# Altium PCB BK1096.PcbDoc (part 1 of 2)
Units mm, origin at the board's own origin, x right, y up, seen from the top; angles counter-clockwise.
Board outline 65 x 36 mm, 4 copper layers (Top Layer, Midlayer 1, Midlayer 2, Bottom Layer), stack 1.571 mm thick; 104 components, 71 nets, 393 pads, 279 vias.
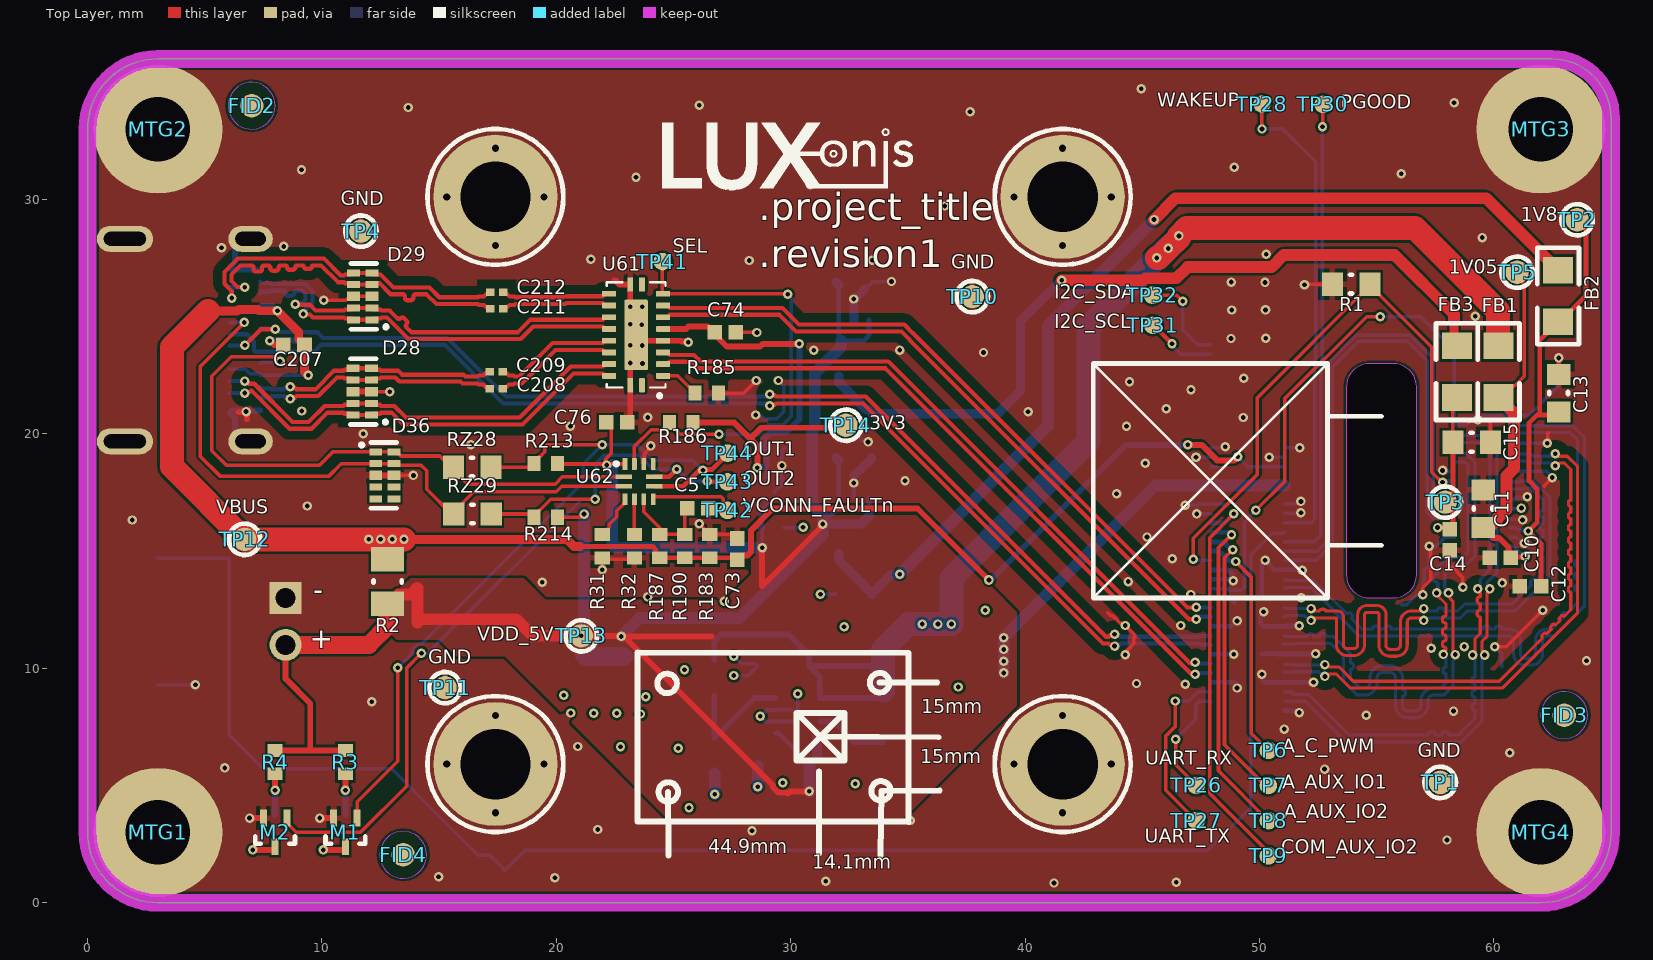
[diagram p0: Top Layer view]
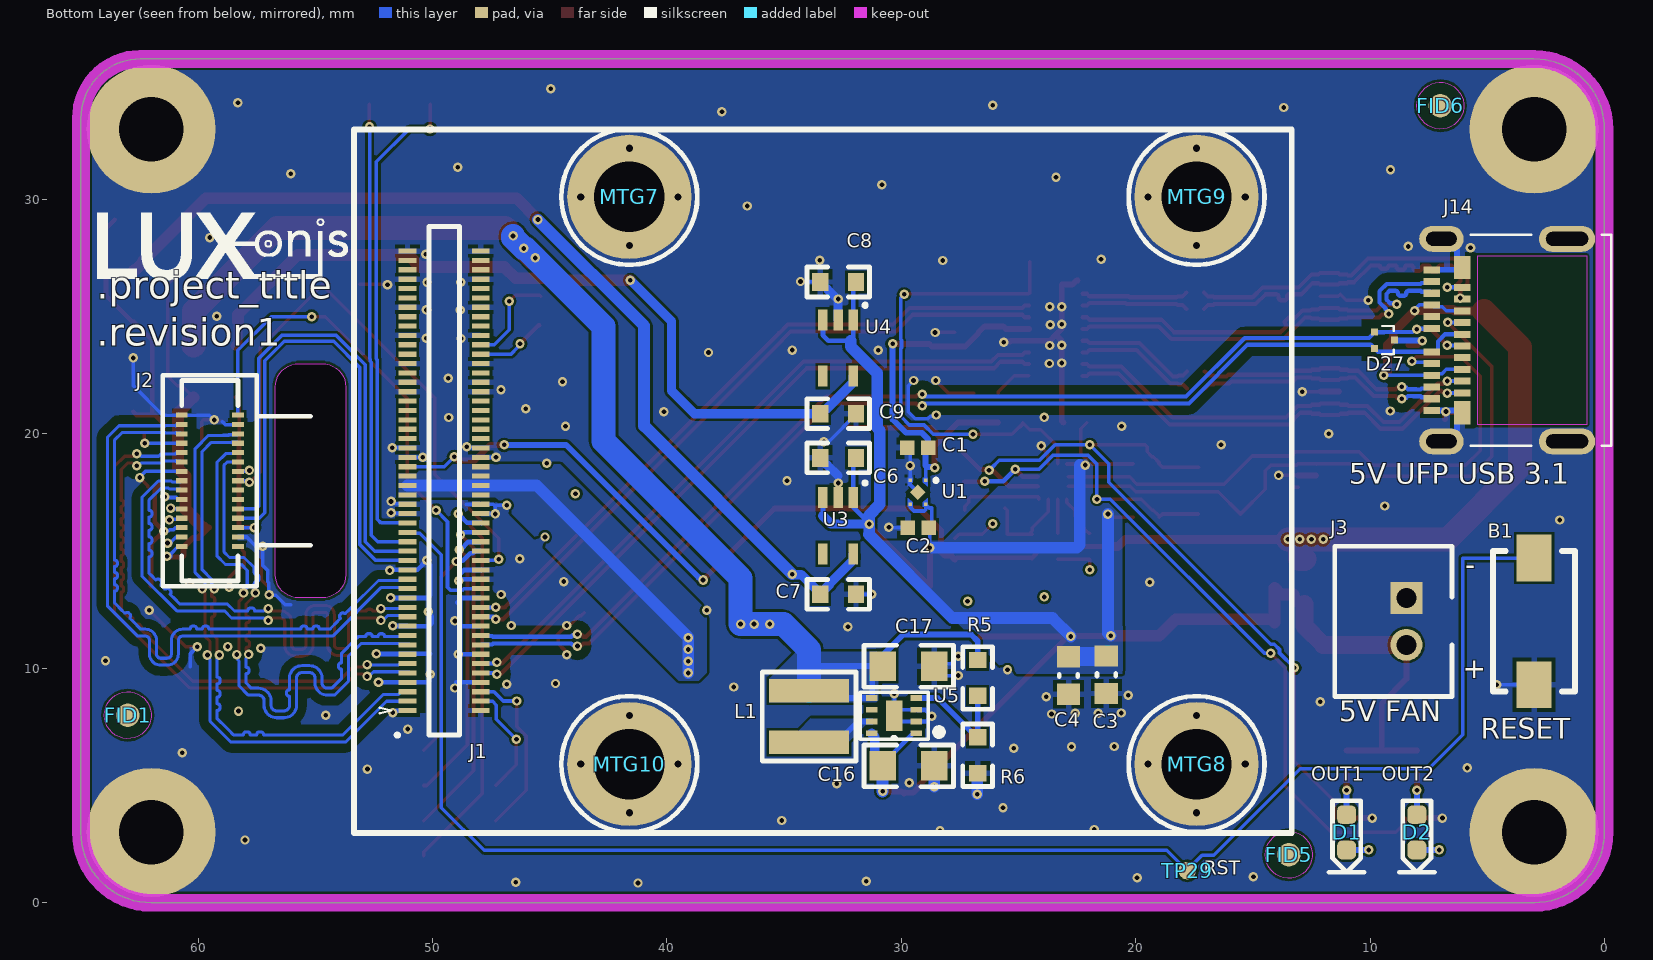
[diagram p1: Bottom Layer view, seen from below]
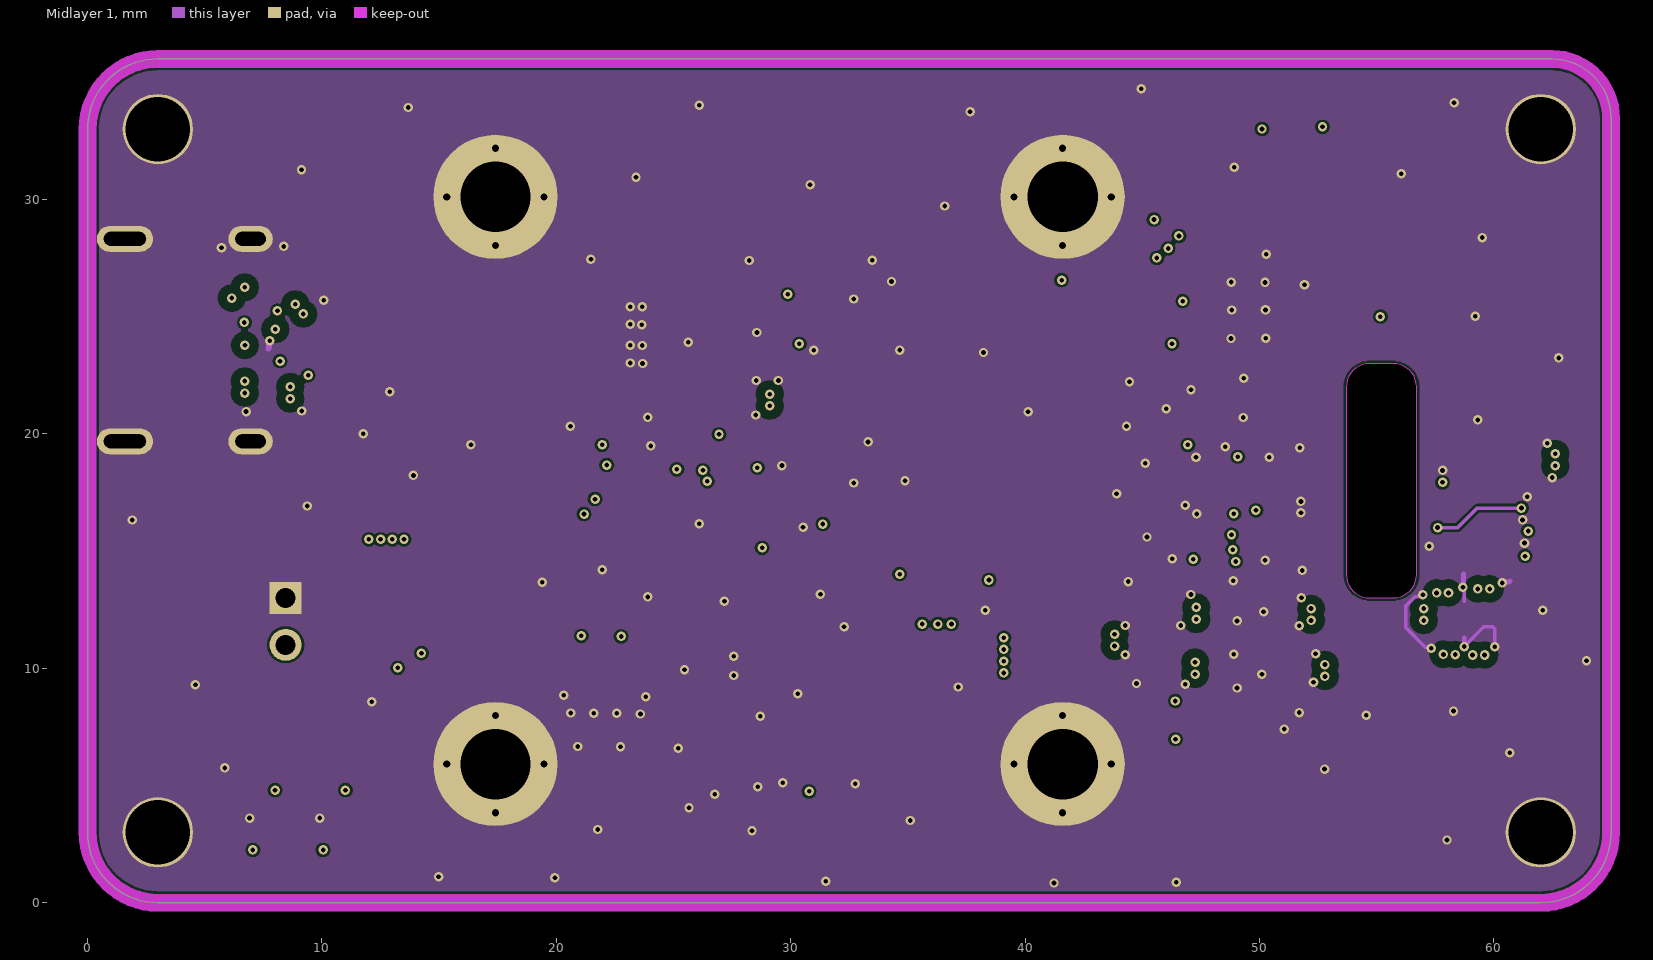
[diagram p2: Midlayer 1]
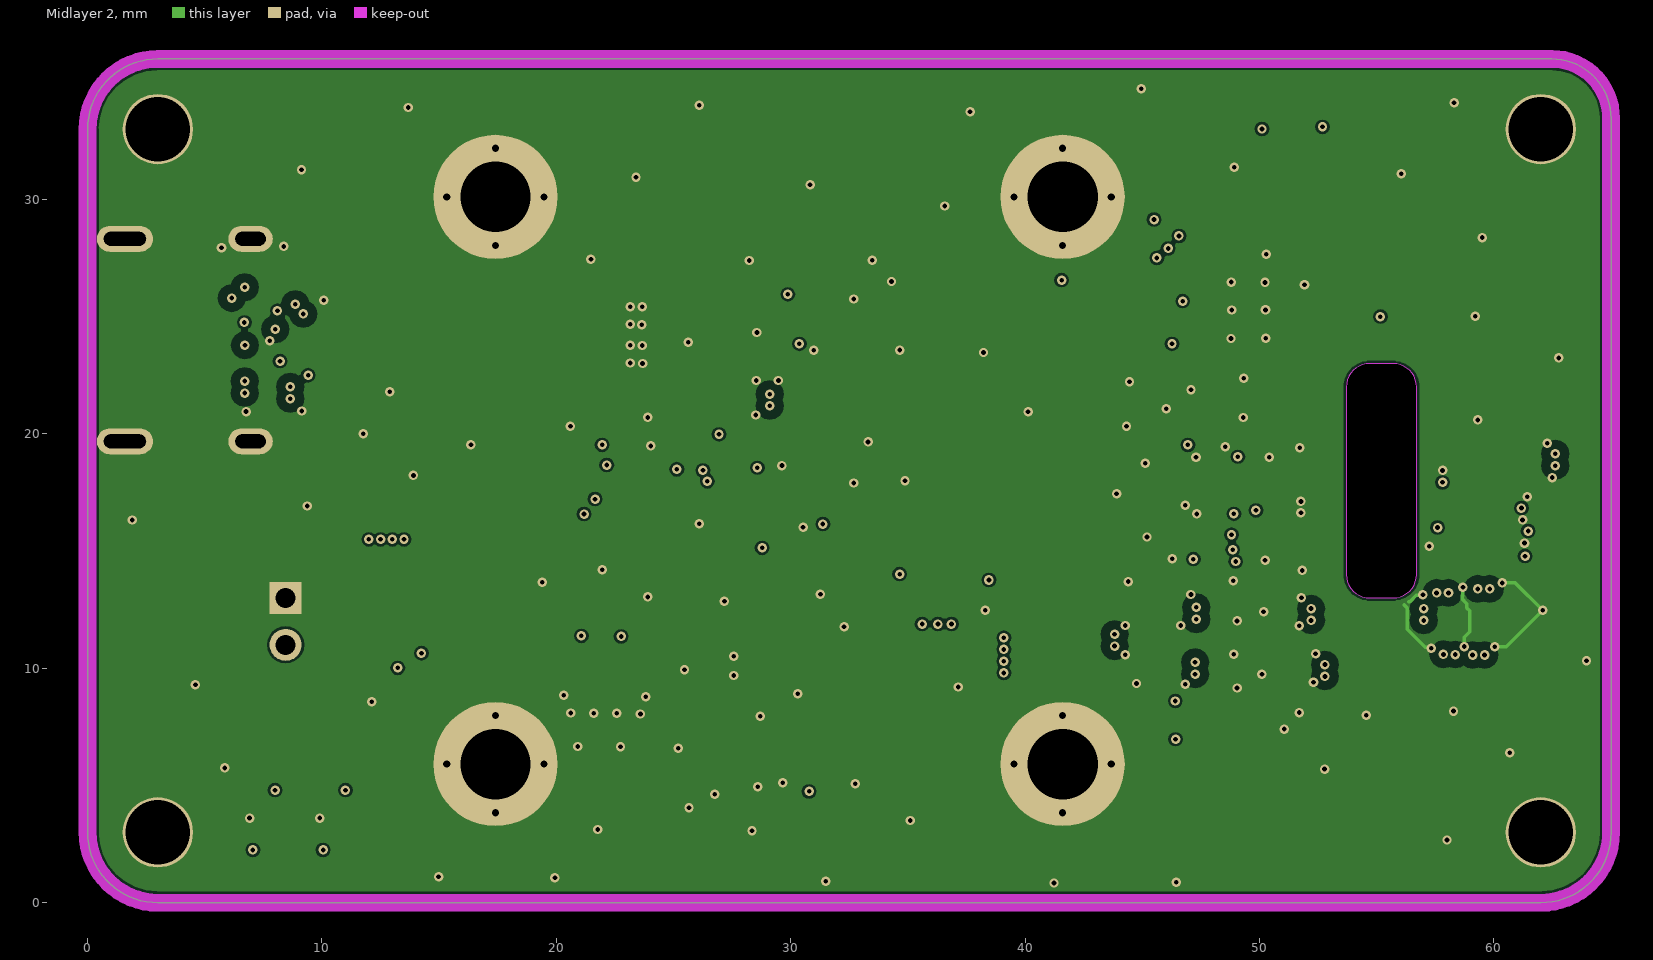
[diagram p3: Midlayer 2]

## Layer stack, top to bottom
Top Solder: solder mask 0.0178, SM-001, Dk 4
Top Layer: signal copper 0.035
Dielectric 1: prepreg 0.2, PP-022, Dk 4.6
Midlayer 1: signal copper 0.018
Dielectric 3: core 1.065, Core-042, Dk 4.6
Midlayer 2: signal copper 0.018
Dielectric 5: prepreg 0.2, PP-022, Dk 4.6
Bottom Layer: signal copper 0.035
Bottom Solder: solder mask 0.0178, SM-001, Dk 4

## Board outline
0,3 ccw(c3,3) 3,0 62,0 ccw(c62,3) 65,3 65,33.46 ccw(c62.46,33.46) 62.46,36 3,36 ccw(c3,33) 0,33

## Design rules (kind name [scope] priority, off if disabled: settings)
AssemblyTestPointUsage [All] p1: valid=2
AssemblyTestpoint [(IsPad And (OnTopLayer Or OnBottomLayer)) Or (IsVia) Or (IsPad And OnMultiLayer)] p1: testpointundercomponent=FALSE minsize=0.381 maxsize=2.54 preferedsize=1.27 minholesize=0 maxholesize=1.016 preferedholesize=0.813 testpointgrid=0.025 usegrid=FALSE gridtolerance=0 allowsidetop=TRUE allowsidebottom=TRUE minspacing=1.27 compbodyclearance=1.27
Clearance Diff_Pair_Spacing [(InDifferentialPairClass('All Differential Pairs'))] p1: gap=0.102 ignorepadtopadclearanceinfootprint=FALSE except(0.381: Arc-Poly Track-Poly SMDPad-Poly THPad-Poly Via-Poly Fill-Poly Poly-Poly)
Clearance general [All] p2: gap=0.102 ignorepadtopadclearanceinfootprint=FALSE
DiffPairsRouting 90ohm_diff_pair [InDifferentialPairClass('USB3', 'USB_D')] p1: maxlimit=0.254 minlimit=0.099 mostfreqgap=0.254 toplayer_maxgap=0.128 toplayer_prefgap=0.114 toplayer_minwidth=0.152 toplayer_maxwidth=0.178 toplayer_prefwidth=0.178 bottomlayer_maxgap=0.128 bottomlayer_prefgap=0.114 bottomlayer_minwidth=0.152 bottomlayer_maxwidth=0.178 bottomlayer_prefwidth=0.178 impedanceprofiledriven=TRUE impedanceprofileid={F445E652-3BED-4DE0-8F3A-16D6EB8CC4C4} impedanceprofilevalue=90.000000 maxuncoupledlength=12.7
DiffPairsRouting 100ohm_Diff_pair [InDifferentialPairClass('MIPI_CAMS')] p2: maxlimit=0.254 minlimit=0.127 mostfreqgap=0.254 toplayer_maxgap=0.211 toplayer_prefgap=0.165 toplayer_minwidth=0.131 toplayer_maxwidth=0.178 toplayer_prefwidth=0.178 bottomlayer_maxgap=0.211 bottomlayer_prefgap=0.165 bottomlayer_minwidth=0.131 bottomlayer_maxwidth=0.178 bottomlayer_prefwidth=0.178 impedanceprofiledriven=TRUE impedanceprofileid={53B17AC2-21DB-4A6F-8AF5-04ABCC40ACAA} impedanceprofilevalue=100.000000 maxuncoupledlength=12.7
FabricationTestPointUsage [All] p1: valid=2 allowmultiple=TRUE
FabricationTestpoint [(IsPad And (OnTopLayer Or OnBottomLayer)) Or (IsVia) Or (IsPad And OnMultiLayer)] p1: side=3 testpointundercomponent=TRUE minsize=0.381 maxsize=2.54 preferedsize=1.27 minholesize=0 maxholesize=1.016 preferedholesize=0.813 testpointgrid=0.025 allowsidetop=TRUE allowsidebottom=TRUE usegrid=FALSE gridtolerance=0 minspacing=1.27 boardedgeclearance=0.254
HoleSize [All] p1: absolutevalues=TRUE maxlimit=3.048 minlimit=0.025 maxpercent=80.000 minpercent=20.000
MatchedLengths USB_XSIGNALS [InxSignalClass('USB_RX_XSIGNALS')  OR             InxSignalClass('USB_RX_XSIGNALS')] p1: tolerance=0.127 checknetsindiffpair=TRUE checkdiffpairvsdiffpair=FALSE checkxsignals=FALSE checkothers=FALSE
MatchedLengths MIPI_CAM_A [InNetClass('MIPI_CAM_A')] p2: tolerance=0.127 checknetsindiffpair=FALSE checkdiffpairvsdiffpair=TRUE checkxsignals=TRUE checkothers=TRUE
MatchedLengths DIFF_PAIR [InDifferentialPairClass('USB_D')] p3: tolerance=0.127 checknetsindiffpair=TRUE checkdiffpairvsdiffpair=FALSE checkxsignals=FALSE checkothers=FALSE
MinimumSolderMaskSliver [All] p1: minsoldermaskwidth=0.152
PasteMaskExpansion PasteMaskExpansion_1 [All] p2: expansion=0
PlaneConnect [All] p1: pad.planeconnectstyle=Relief pad.reliefexpansion=0.508 pad.reliefentries=4 pad.reliefconductorwidth=0.254 pad.reliefairgap=0.254 via.planeconnectstyle=Direct via.reliefexpansion=0.508 via.reliefentries=4 via.reliefconductorwidth=0.254 via.reliefairgap=0.254
PolygonConnect PolygonConnect_outer_layer_GND [InNet('GND')] p1: thpad.connectstyle=Direct thpad.reliefconductorwidth=0.254 thpad.reliefentries=4 thpad.polygonreliefangle="90 Angle" thpad.airgapwidth=0.254 smdpad.connectstyle=Relief smdpad.reliefconductorwidth=0.254 smdpad.reliefentries=4 smdpad.polygonreliefangle="90 Angle" smdpad.airgapwidth=0.154 via.connectstyle=Direct via.reliefconductorwidth=0.254 via.reliefentries=4 via.polygonreliefangle="90 Angle" via.airgapwidth=0.254
PolygonConnect Outer_Layer_Power [InPolygonClass('Outer_Layer_Power')] p2: thpad.connectstyle=Direct thpad.reliefconductorwidth=0.254 thpad.reliefentries=4 thpad.polygonreliefangle="90 Angle" thpad.airgapwidth=0.254 smdpad.connectstyle=Relief smdpad.reliefconductorwidth=0.254 smdpad.reliefentries=4 smdpad.polygonreliefangle="90 Angle" smdpad.airgapwidth=0.254 via.connectstyle=Direct via.reliefconductorwidth=0.254 via.reliefentries=4 via.polygonreliefangle="90 Angle" via.airgapwidth=0.254
PolygonConnect Default [All] p3: connectstyle=Direct reliefconductorwidth=0.254 reliefentries=4 polygonreliefangle="90 Angle" airgapwidth=0.254
RoutingVias [All] p1: holewidth=0.203 width=0.406 viastyle="Through Hole" minholewidth=0.2 minwidth=0.4 maxholewidth=3.048 maxwidth=3.048 viatemplateguid#1={EA498970-4BE9-4706-B75B-98A89CD1B552} viatemplatename#1=v41h20m0mx0
SilkToSilkClearance [All] p1: silktosilkclearance=0.102
SilkToSolderMaskClearance SilkscreenOverComponentPads [IsPad] p1: minsilkscreentomaskgap=0.102 clearancetoexposedcopper=TRUE
SolderMaskExpansion SolderMaskExpansion_1 [All] p1: expansion=0.102 istentingtop=FALSE
SolderMaskExpansion [All] p2: expansion=0.051 istentingtop=FALSE
UnRoutedNet [All] p1: checkbadconnections=TRUE
Width [All] p1: maxlimit=2.362 minlimit=0.15 preferedwidth=0.5
19 further rules are at their usual default settings.

## Classes and differential pairs
differential pair class USB_D: USB_D
component class U_BK1096_Power_Supply: C1 C2 C3 C4 C6 C7 C8 C9 C16 C17 FB1 FB2 FB3 J3 L1 R2 R5 R6 TP1 TP2 TP3 TP4 TP5 TP10 TP11 TP12 TP13 TP14 U1 U3 U4 U5
differential pair class USB3: RXB RXC TXB TXB1 TXC TXC1 USB_RX USB_TX
net class Power_trace: VBUS VDD_5V
component class U_BW1098_USB: C5 C73 C74 C76 C207 C208 C209 C211 C212 D1 D2 D27 D28 D29 D36 J14 M1 M2 R3 R4 R31 R32 R183 R185 R186 R187 R190 R213 R214 RZ28 RZ29 TP41 TP42 TP43 TP44 U61 U62
component class U_BW1098_MIPI_CAM: C10 C11 C12 C13 C14 C15 J2 R1 TP6 TP7 TP8 TP9
component class BK1096_TopLevel: B1 FID1 FID2 FID3 FID4 FID5 FID6 MTG1 MTG2 MTG3 MTG4 MTG7 MTG8 MTG9 MTG10 TP28 TP29 TP30
polygon class Outer_Layer_Power: GND_L01_P089 GND_L04_P097
differential pair class USB_RxTX: USB_RX USB_TX
component class U_BW1098_Connector: J1 TP26 TP27 TP31 TP32
differential pair class MIPI_CAMS: MIPI_RX4_C MIPI_RX4_D0 MIPI_RX4_D1 MIPI_RX5_D0 MIPI_RX5_D1
net class MIPI_CAM_A: MIPI_RX4_C_N MIPI_RX4_C_P MIPI_RX4_D0_N MIPI_RX4_D0_P MIPI_RX4_D1_N MIPI_RX4_D1_P MIPI_RX5_D0_N MIPI_RX5_D0_P MIPI_RX5_D1_N MIPI_RX5_D1_P
differential pair TXC: +TXC_P -TXC_N
differential pair TXC1: +TXC1_P -TXC1_N
differential pair TXB: +TXB_P -TXB_N
differential pair TXB1: +TXB1_P -TXB1_N
differential pair RXC: +RXC_P -RXC_N
differential pair RXB: +RXB_P -RXB_N
differential pair MIPI_RX5_D1: +MIPI_RX5_D1_P -MIPI_RX5_D1_N
differential pair MIPI_RX5_D0: +MIPI_RX5_D0_P -MIPI_RX5_D0_N
differential pair MIPI_RX4_D1: +MIPI_RX4_D1_P -MIPI_RX4_D1_N
differential pair MIPI_RX4_D0: +MIPI_RX4_D0_P -MIPI_RX4_D0_N
differential pair MIPI_RX4_C: +MIPI_RX4_C_P -MIPI_RX4_C_N
differential pair USB_TX: +USB_TX_P -USB_TX_N
differential pair USB_RX: +USB_RX_P -USB_RX_N
differential pair USB_D: +USB_D_P -USB_D_N

## Components (designator, comment, footprint, x,y, rotation, side; value= is the part's Value field where it differs from the comment)
B1 "434 113 050 826" DTSM32N 3,12 r270 bottom locked
C1 "10uF/6.3V" CAPC0402(1005)70_N 29.294,19.401 r180 bottom
C2 "1uF, 0402, 10%" CAPC0402(1005)70_N 29.27,15.989 r0 bottom
C3 "CAP, MLCC, X5R, 22UF, 10V, 0603" CAPC0603(1608)100_N 21.25,9.725 r270 bottom
C4 "CAP, MLCC, X5R, 22UF, 10V, 0603" CAPC0603(1608)100_N 22.863,9.691 r270 bottom
C5 "1uF 0402" CAPC0402(1005)70_N 26.027,16.838 r180 top
C6 "10uF/6.3V" 0603 32.691,18.976 r0 bottom
C7 "10uF/6.3V" 0603 32.691,13.156 r180 bottom
C8 "10uF/6.3V" 0603 32.691,26.481 r0 bottom
C9 "10uF/6.3V" 0603 32.691,20.862 r180 bottom
C10 "100nF" CAPC0402(1005)60_N 60.274,14.707 r0 top
C11 "10uF/6.3V" CAPC0603(1608)55_N 59.538,16.815 r270 top
C12 "100nF" CAPC0402(1005)60_N 61.56,13.503 r0 top
C13 "10uF/6.3V" CAPC0603(1608)55_N 62.763,21.742 r270 top
C14 "100nF" CAPC0402(1005)60_N 58.122,15.49 r90 top
C15 "10uF/6.3V" CAPC0603(1608)55_N 59.049,19.643 r180 top
C16 "10uF/6.3V" 0805 29.691,5.841 r180 bottom
C17 "22uF/6.3V" 0805 29.691,10.091 r180 bottom
C73 "10uF/6.3V" CAPC0402(1005)60_N 27.711,15.088 r270 top
C74 "10uF/6.3V" CAPC0402(1005)60_N 27.213,24.327 r180 top
C76 "10uF/6.3V" CAPC0402(1005)60_N 22.573,20.491 r180 top
C207 "10uF/6.3V" CAPC0402(1005)60_N 8.805,23.8 r0 top
C208 "100nF" CAPC0201(0603)33_L 17.429,21.936 r180 top
C209 "100nF" CAPC0201(0603)33_L 17.429,22.656 r180 top
C211 "100nF" CAPC0201(0603)33_L 17.458,25.333 r180 top
C212 "100nF" CAPC0201(0603)33_L 17.458,26.033 r180 top
D1 "GREEN" LED_0603 11,3 r90 bottom
D2 "GREEN" LED_0603 8,3 r90 bottom
D27 "TPD2EUSB30" SOT-3 9.389,24.001 r270 bottom
D28 "TPD4E02B04" DQA-10 11.716,21.801 r90 top
D29 "TPD4E02B04" DQA-10 11.742,25.868 r90 top
D36 "TPD4E02B04" DQA-10 12.683,18.229 r270 top
FB1 "600R/100MHz" 0805 60.198,22.657 r270 top
FB2 "600R/100MHz" 0805 62.738,25.883 r270 top
FB3 "600R/100MHz" 0805 58.42,22.657 r270 top
FID1 "FID" FIDUCIAL_1MM 63,8 r180 bottom
FID2 "FID" FIDUCIAL_1MM 7,34 r90 top
FID3 "FID" FIDUCIAL_1MM 63,8 r90 top
FID4 "FID" FIDUCIAL_1MM 13.467,2.043 r90 top
FID5 "FID" FIDUCIAL_1MM 13.467,2.043 r90 bottom
FID6 "FID" FIDUCIAL_1MM 7,34 r90 bottom
J1 "DF40HC(3.0)-100DS-0.4V" DF40HC-3.0-100DS-0.4V 49.5,18 r0 bottom locked
J2 "24-5804-030-000-829+" A12N02A-201_MatedModule 59.5,18 r270 bottom locked
J3 "B2B-PH-K-S(LF)(SN)" *JST_B2B-PH-K-S(LF)(SN) 9,12 r90 bottom locked
J14 "105450-0101" Molex_105450-0101 6.714,24 r90 bottom locked
L1 "1uH" 744029001 33.934,7.945 r0 bottom
M1 "RE1C002UNTCL" SOT-416FL 11,3 r180 top
M2 "RE1C002UNTCL" SOT-416FL 8,3 r180 top
MTG1 "MTG-HOLE" SCREW_M2.5x4_RPi 3,3 r0 top
MTG2 "MTG-HOLE" SCREW_M2.5x4_RPi 3,33 r0 top
MTG3 "MTG-HOLE" SCREW_M2.5x4_RPi 62,33 r0 top
MTG4 "MTG-HOLE" SCREW_M2.5x4_RPi 62,3 r0 top
MTG7 "MTG-HOLE" STANDOFF_M2X0.4_3MM 41.6,30.113 r90 bottom
MTG8 "MTG-HOLE" STANDOFF_M2X0.4_3MM 17.4,5.913 r90 bottom
MTG9 "MTG-HOLE" STANDOFF_M2X0.4_3MM 17.4,30.113 r90 bottom
MTG10 "MTG-HOLE" STANDOFF_M2X0.4_3MM 41.6,5.913 r90 bottom
R1 "10K" RESC0603(1608)_N 53.907,26.388 r180 top
R2 "RES 0.02 OHM 1% 1/2W 0805" RESC0805(2012)_N 12.8,13.7 r90 top
R3 "1k" RESC0402(1005)_N 11,6 r90 top
R4 "1k" RESC0402(1005)_N 8,6 r90 top
R5 "53.6K" 0603 26.739,9.59 r90 bottom
R6 "39.2K" 0603 26.739,6.287 r270 bottom
R31 "10k" RESC0402(1005)_N 21.955,15.211 r270 top
R32 "10k" RESC0402(1005)_N 23.33,15.211 r270 top
R183 "10k" RESC0402(1005)_N 26.543,15.215 r270 top
R185 "10k" RESC0402(1005)_N 26.413,21.743 r0 top
R186 "10k" RESC0402(1005)_N 25.325,20.481 r0 top
R187 "1.8M" RESC0402(1005)_N 24.409,15.215 r270 top
R190 "1.8M" RESC0402(1005)_N 25.476,15.215 r270 top
R213 "10k" RESC0402(1005)_N 19.553,18.732 r0 top
R214 "10k" RESC0402(1005)_N 19.544,16.445 r0 top
RZ28 "0 NM" RESC0603(1608)_N 16.403,18.582 r0 top
RZ29 "0 NM" RESC0603(1608)_N 16.423,16.582 r0 top
TP1 "TP NM" TP_SMD 57.709,5.131 r180 top
TP2 "TP NM" TP_SMD 63.551,29.134 r270 top
TP3 "TP NM" TP_SMD 57.923,17.09 r270 top
TP4 "TP NM" TP_SMD 11.659,28.651 r270 top
TP5 "TP NM" TP_SMD 60.985,26.899 r0 top
TP6 "TP_SMD" TP_0.75MM_SMD_NO-SILK 50.375,6.5 r180 top
TP7 "TP_SMD" TP_0.75MM_SMD_NO-SILK 50.375,5 r180 top
TP8 "TP_SMD" TP_0.75MM_SMD_NO-SILK 50.375,3.5 r180 top
TP9 "TP_SMD" TP_0.75MM_SMD_NO-SILK 50.375,2 r180 top
TP10 "TP NM" TP_SMD 37.744,25.857 r90 top
TP11 "TP NM" TP_SMD 15.25,9.175 r90 top
TP12 "TP NM" TP_SMD 6.7,15.5 r90 top
TP13 "TP NM" TP_SMD 21.067,11.383 r90 top
TP14 "TP NM" TP_SMD 32.355,20.369 r90 top
TP26 "TP_SMD" TP_0.75MM_SMD_NO-SILK 47.3,5 r90 top
TP27 "TP_SMD" TP_0.75MM_SMD_NO-SILK 47.3,3.5 r90 top
TP28 "TP_SMD" TP_0.75MM_SMD_NO-SILK 50.103,34.073 r90 top
TP29 "TP_SMD" TP_0.75MM_SMD_NO-SILK 17.798,1.366 r90 bottom
TP30 "TP_SMD" TP_0.75MM_SMD_NO-SILK 52.705,34.061 r90 top
TP31 "TP_SMD" TP_0.75MM_SMD_NO-SILK 45.446,24.631 r90 top
TP32 "TP_SMD" TP_0.75MM_SMD_NO-SILK 45.429,25.915 r90 top
TP41 "TP_SMD" TP_0.75MM_SMD_NO-SILK 24.52,27.351 r90 top
TP42 "TP_SMD" TP_0.75MM_SMD_NO-SILK 27.3,16.736 r90 top
TP43 "TP_SMD" TP_0.75MM_SMD_NO-SILK 27.3,17.95 r90 top
TP44 "TP_SMD" TP_0.75MM_SMD_NO-SILK 27.3,19.18 r90 top
U1 "TLV707 LDO" DFN65P100X40-4L 29.294,17.511 r270 bottom
U3 "TLV70018DCKT" SC70-5 32.691,16.082 r0 bottom
U4 "TLV70028DCKT" SC70-5 32.691,23.662 r0 bottom
U5 "TLV62080" WSON-8 30.306,7.98 r0 bottom
U61 "HD3SS3212RKSR" VQFN-20 23.405,24.226 r180 top
U62 "TUSB321RWBR" X2QFN-12 23.53,17.966 r90 top
